# Altium PCB PCB_with_drawing_try2.PcbDoc (part 3 of 5) (continued)
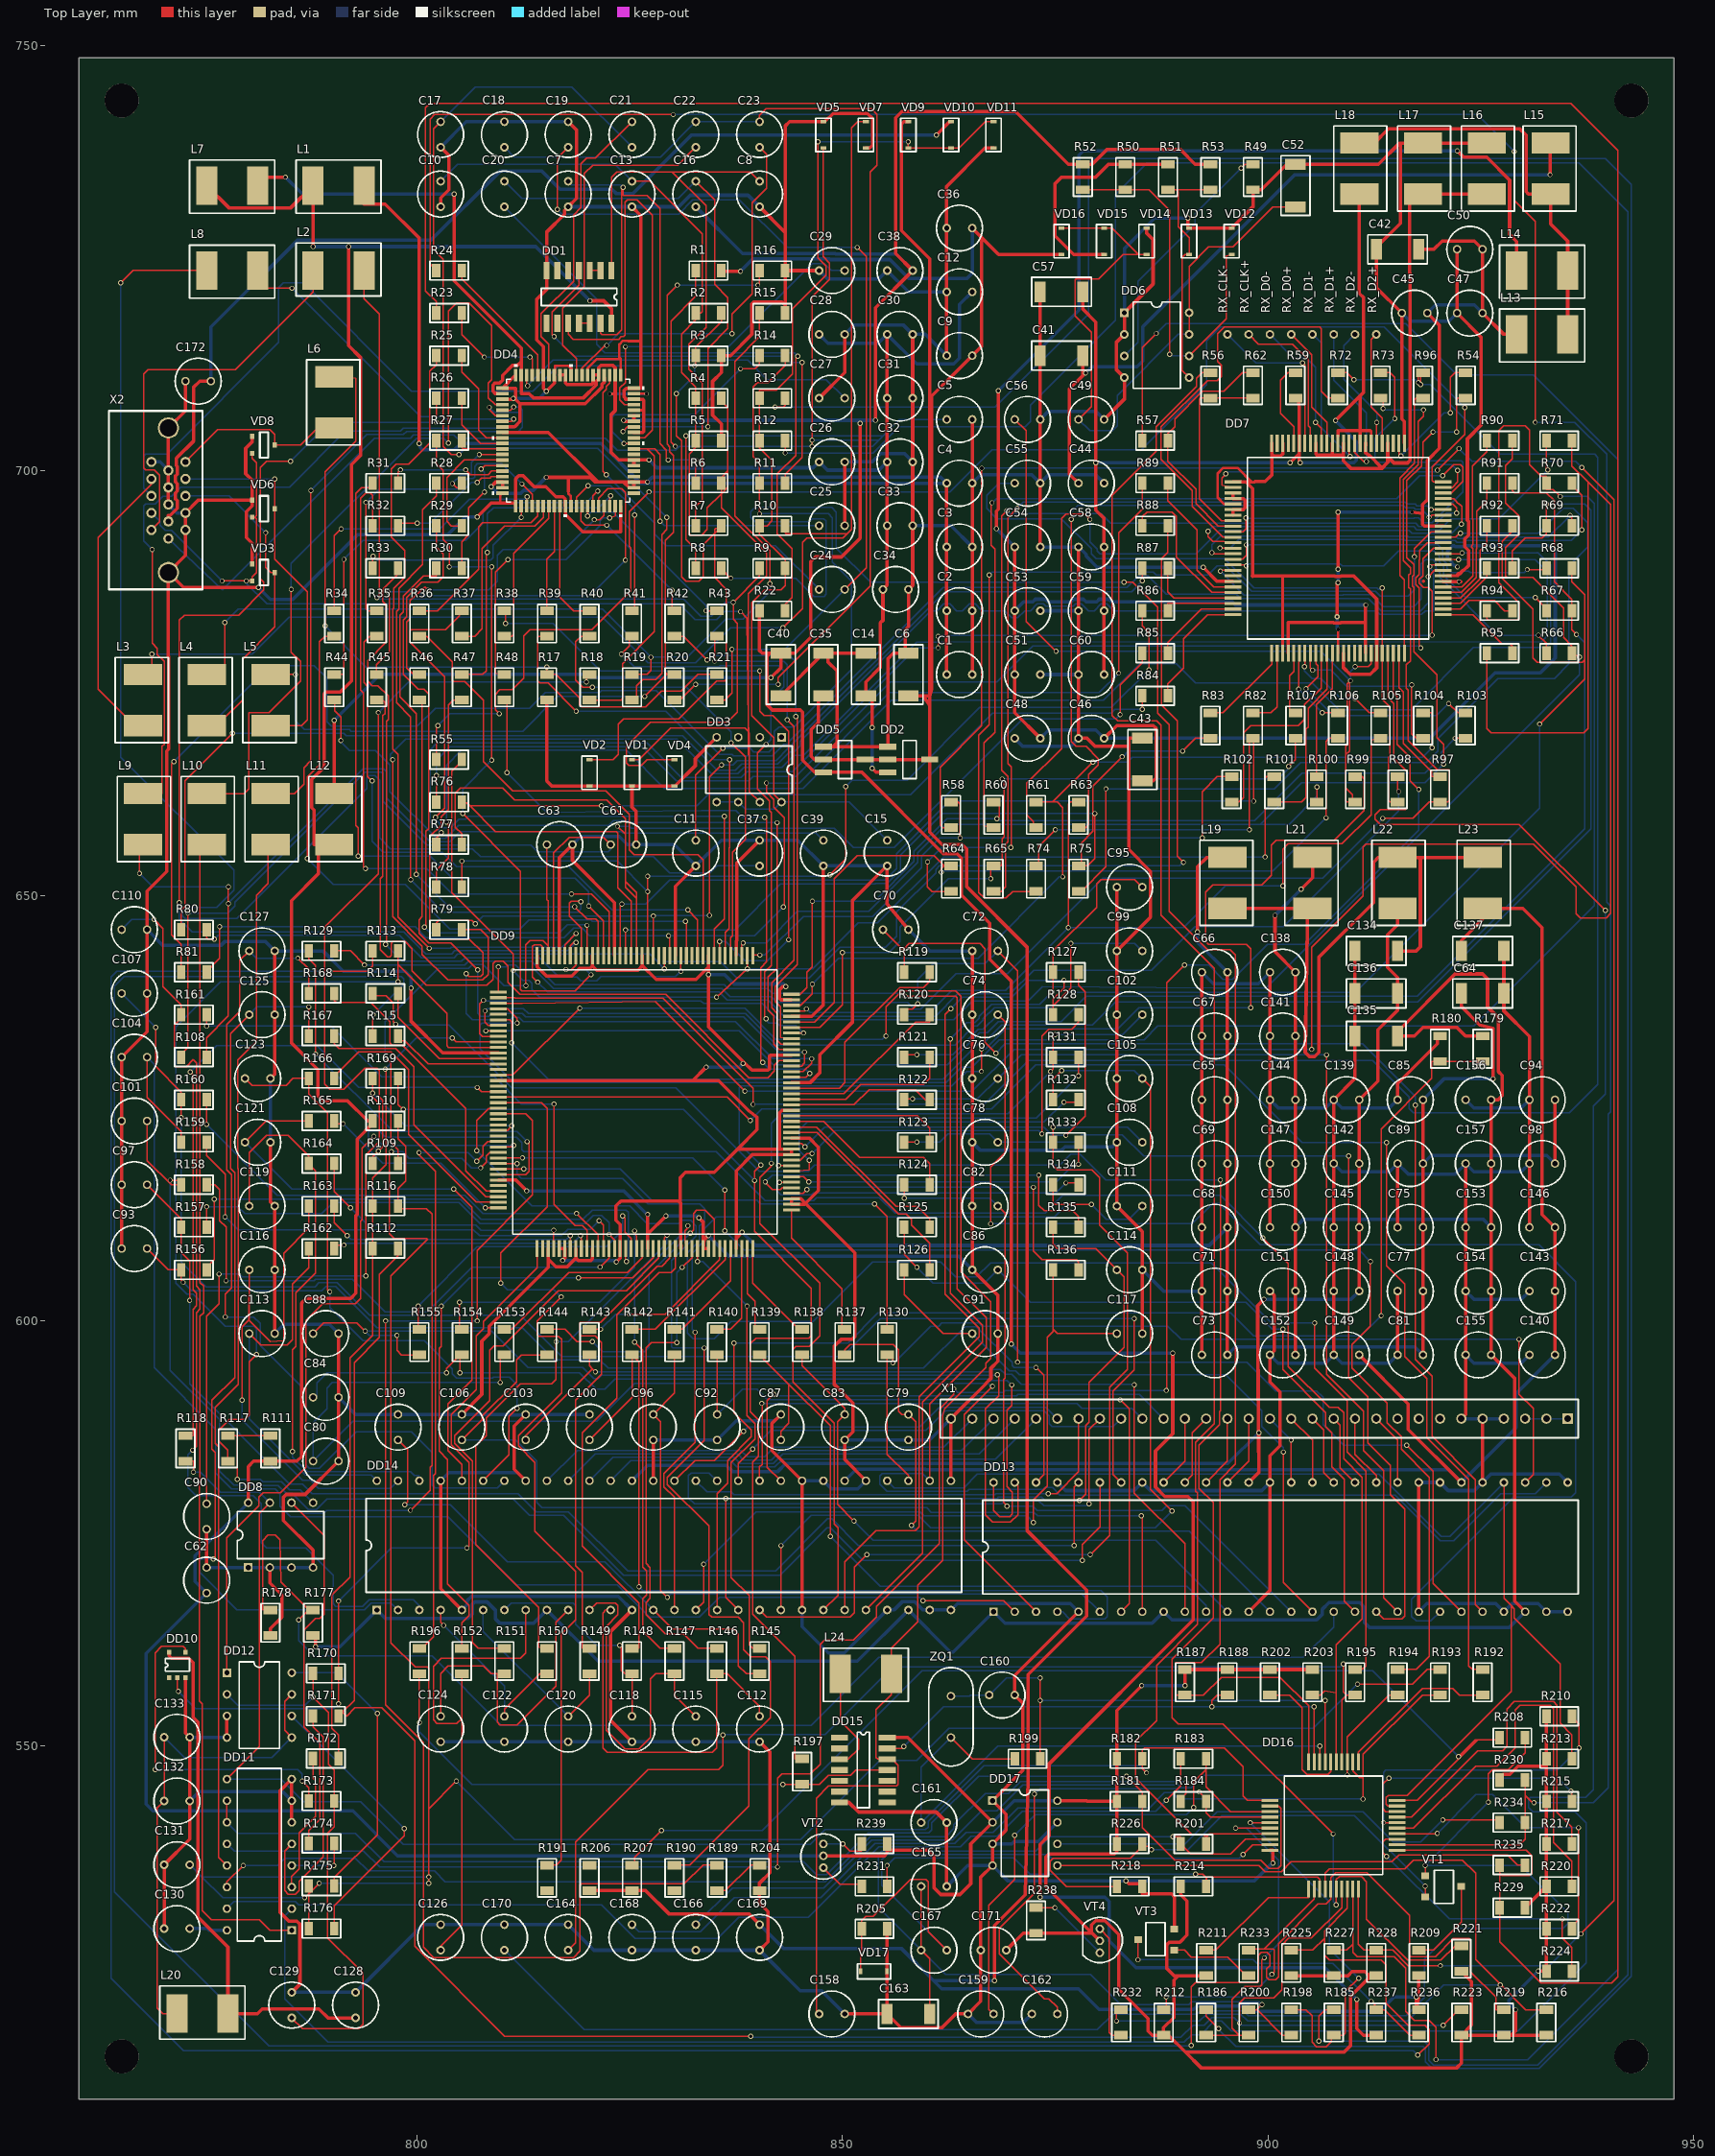
[diagram p0: Top Layer view]
## Nets (pads, with @x,y where several pads share a name; then routed paths per layer and width w, separated by ;. In a path a pad name is that pad's centre, name@x,y a point inside that pad or via, vN(x,y) a via of type N, cw(c..) or ccw(c..) an arc to the next point about the centre after c; other vN are vias at no path point) (continued)
HSYNC_IN: DD11.14 R184.1 | length 123.4
  Top Layer w0.15: DD11.14@777.63,533.42 777.63,534.046 v1(779.555,535.97) ; R184.1@889.75,543.5 889.75,543.794 890.4,544.444 v1(890.4,545.749)
  Bottom Layer w0.15: v1(779.555,535.97) 783.568,535.97 784.406,536.809 792.737,536.809 794.235,535.31 802.028,535.31 803.298,534.04 847.957,534.04 853.259,539.342 862.149,539.342 863.095,540.288 863.095,540.726 866.778,544.409 869.507,544.409 870.925,545.828 890.322,545.828 v1(890.4,545.749)
HSYNC_X: DD9.41 DD10.2 R170.1 | length 91.7
  Top Layer w0.15: DD10.2@771.8,558.04 771.8,556.552 v1(771.935,556.417) ; v1(790.75,554.989) R170.1@790.75,558.54 v1(790.75,567.06) ; v1(805.844,573.283) 806.079,573.518 806.079,583.348 804.017,585.41 804.017,589.008 806.936,591.927 806.936,598.217 807.809,599.09 807.809,599.936 814.1,606.227 DD9.41@814.1,608.5
  Bottom Layer w0.15: v1(771.935,556.417) 773.967,554.385 790.147,554.385 v1(790.75,554.989) ; v1(790.75,567.06) 796.973,573.283 v1(805.844,573.283)
INPUT_SELECT: DD11.10 DD11.11 DD16.12 R181.1 | length 149.5
  Top Layer w0.15: DD11.11@777.63,541.04 DD11.10@777.63,543.58 ; v1(883.396,546.461) 885.25,544.606 R181.1@885.25,543.5 885.25,540.425 889.095,536.58 899.169,536.58 900.129,535.621 901.201,535.621 901.526,535.945 901.526,542.676 901.252,542.95 DD16.12@900.25,542.95
  Bottom Layer w0.15: DD11.11@777.63,541.04 778.915,539.755 792.737,539.755 796.09,536.402 845.39,536.402 846.921,534.871 848.14,534.871 853.036,539.767 860.114,539.767 860.483,540.136 860.483,540.953 865.991,546.461 v1(883.396,546.461)
LCD_CLK: DD13.31 DD14.31 R130.1 | length 111.7
  Top Layer w0.15: v1(855.933,595.076) 855.933,596 R130.1@855.25,596 855.247,596 855.247,584.307 857.75,581.803 DD14.31@857.75,581.2 ; v1(929.542,597.819) 929.542,591.342 931.193,589.691 931.193,581.943 DD13.31@930.25,581
  Bottom Layer w0.15: v1(855.933,595.076) 856.009,595 860.387,599.379 861.331,599.379 861.686,599.733 866.041,599.733 866.395,599.379 888.232,599.379 889.791,597.819 v1(929.542,597.819)
LCD_DE: DD13.30 DD14.30 R129.1 | length 228.4
  Top Layer w0.15: R129.1@790.25,643.5 790.25,643.514 792.153,643.514 v1(793.804,641.863) ; v1(857.355,638.18) 863.299,638.18 863.495,637.983 863.495,603.77 866.905,600.359 866.905,596.887 860.25,590.231 DD14.30@860.25,581.2
  Bottom Layer w0.15: v1(793.804,641.863) 805.615,641.863 806.064,642.312 813.404,642.312 816.215,639.501 836.083,639.501 836.498,639.086 841.19,639.086 841.752,638.524 857.011,638.524 v1(857.355,638.18) ; DD14.30@860.25,581.2 859.421,582.029 854.688,582.029 854.409,581.75 854.409,580.776 855.219,579.966 864.67,579.966 864.871,580.166 873.586,580.166 873.8,580.381 874.697,580.381 875.567,579.51 914.958,579.51 920.296,574.172 921.871,574.172 927.383,579.684 931.434,579.684 DD13.30@932.75,581
LCD_VCC: X1.1 X1.2 X1.3 | length 5
  Bottom Layer w0.15: X1.3@930.25,588.5 X1.2@932.75,588.5 X1.1@935.25,588.5
LVDS_PD: DD13.32 DD14.32 DD16.39 R213.2 | length 147.1
  Top Layer w0.15: DD16.39@915.2,542.95 914.124,542.95 913.921,543.153 913.921,543.946 914.175,544.2 916.385,544.2 928.602,556.417 928.602,566.513 ; DD13.32@927.75,581 927.75,567.365 928.602,566.513 ; R213.2@935.75,548.5 935.75,551.327 934.388,552.688 934.388,559.648 928.983,565.053 928.983,566.132 928.602,566.513
  Bottom Layer w0.15: DD14.32@855.25,581.2 856.08,580.37 864.264,580.37 865.864,581.97 913.073,581.97 920.363,574.68 921.43,574.68 DD13.32@927.75,581
MCU_H_IN: DD11.13 L11.2 | length 123.5
  Top Layer w0.15: DD11.13@777.63,535.96 776.659,536.931 776.659,585.214 776.271,585.602 776.271,589.837 778.96,592.525 778.96,617.863 778.92,617.903 778.92,630.662 781.104,632.846 781.104,650.042 782.476,651.413 782.476,656 L11.2@782.75,656
MCU_ISP_SCL: R12.1 R185.1 | length 382.1
  Top Layer w0.15: v1(843.25,702.061) R12.1@843.25,703.5 ; v1(905.996,515.295) 905.996,518.238 906.758,519 R185.1@907.75,519
  Bottom Layer w0.15: v1(843.25,702.061) 853.568,702.061 856.667,705.16 871.503,705.16 872.087,705.744 872.087,707.674 882.095,717.682 882.095,732.465 885.815,736.185 936.565,736.185 942.343,730.407 942.343,523.093 931.751,512.501 919.458,512.501 918.925,513.034 918.925,514.735 918.365,515.295 v1(905.996,515.295)
MCU_ISP_SDA: R13.1 R186.1 | length 396
  Top Layer w0.15: v1(842.064,707.446) 843.047,707.446 843.25,707.649 R13.1@843.25,708.5 ; R186.1@892.75,519 892.75,518.228 v1(894.21,516.768)
  Bottom Layer w0.15: v1(842.064,707.446) 867.947,707.446 878.92,718.419 878.92,736.046 879.563,736.689 939.668,736.689 942.75,733.608 942.75,522.928 931.918,512.097 919.291,512.097 918.521,512.867 918.521,514.429 918.25,514.7 ; v1(894.21,516.768) 894.21,516.666 896.217,514.66 918.29,514.66
MCU_SCL1: DD16.32 R24.1 R230.2 R234.1 | length 380.7
  Top Layer w0.15: R24.1@802.25,723.5 802.25,723.539 801.5,724.288 801.5,741.304 802.034,741.837 v1(830.101,741.837) ; DD16.32@915.2,538.4 929.584,538.4 930.25,539.066 R234.1@930.25,541 930.25,544.2 ; v1(928.958,737.494) 928.958,731.754 931.421,729.29 v1(931.421,705.668) ; R230.2@930.25,546 930.25,544.2 ; v1(931.294,543.336) 931.114,543.336 930.25,544.2
  Bottom Layer w0.15: v1(830.101,741.837) 924.614,741.837 v1(928.958,737.494) ; v1(931.294,543.336) 938.254,543.336 940.007,545.089 940.007,624.286 940.311,624.591 940.311,648.772 939.829,649.254 939.829,701.934 936.095,705.668 v1(931.421,705.668)
MCU_SDA1: DD16.31 R23.1 R229.2 R235.1 | length 429.4
  Top Layer w0.15: R23.1@802.25,718.5 802.25,719.841 800.972,721.119 800.972,742.63 801.5,743.158 935.592,743.158 941.124,737.626 941.124,522.864 940.413,522.153 932.101,522.153 927.25,527.004 R229.2@927.25,531 927.25,535.056 ; DD16.31@915.2,537.75 930.378,537.75 931.04,537.088 931.04,535.056 930.736,534.751 927.555,534.751 927.25,535.056 ; R235.1@927.25,536 927.25,535.056
MCU_V_IN: DD11.1 L10.2 | length 138.1
  Top Layer w0.15: L10.2@775.25,656 774.475,656 774.475,604.481 774.876,604.079 774.876,600.965 774.475,600.564 774.475,581.005 774.399,580.928 774.399,555.328 774.733,554.993 774.733,530.658 775.796,529.595 781.434,529.595 782.689,528.34 DD11.1@785.25,528.34
NetC7_1: C7.1 DD1.13 R6.2 | length 69.4
  Top Layer w0.15: DD1.13@821.56,717.3 821.56,716.158 821.738,715.98 823.446,715.98 824.017,716.551 824.017,733.112 v1(824.208,733.303) 824.208,732.318 827.033,732.318 828.55,730.802 828.55,703.138 829.296,702.391 829.296,701.443 v1(829.517,701.223) ; R6.2@832.75,698.5 v1(832.75,701.223)
  Bottom Layer w0.15: C7.1@817.75,734 818.168,733.582 823.929,733.582 v1(824.208,733.303) ; v1(829.517,701.223) v1(832.75,701.223)
NetC8_1: C8.1 DD1.1 R7.2 | length 74.2
  Top Layer w0.15: DD1.1@822.83,723.5 822.83,734.49 823.446,735.106 829.974,735.106 ; R7.2@832.75,693.5 832.75,695.744 833.53,696.524 833.53,710.316 831.955,711.891 831.955,714.837 833.936,716.818 833.936,731.144 829.974,735.106 ; C8.1@840.25,734 839.144,735.106 829.974,735.106
NetC11_1: C11.1 R11.2 R14.1 | length 81.3
  Top Layer w0.15: C11.1@832.75,656.5 832.75,664.172 v1(835.923,667.345) ; v1(840.25,694.898) R11.2@840.25,698.5 840.25,700.842 839.473,701.618 839.473,709.808 839.981,710.316 841.218,710.316 843.25,712.348 R14.1@843.25,713.5
  Bottom Layer w0.15: v1(835.923,667.345) 839.137,667.345 839.576,666.906 841.352,666.906 842.001,667.555 842.001,669.295 842.547,669.841 844.312,669.841 851.081,676.61 851.081,686.973 848.821,689.234 848.821,694.416 848.338,694.898 v1(840.25,694.898)
NetC15_1: C15.1 DD3.5 DD3.6 DD3.8 R9.2 R10.2 R12.2 R13.2 VD9.2 VD10.2 VD11.2 | length 134.9
  Top Layer w0.15: R10.2@840.25,693.5 R10.2@840.25,693.476 ; DD3.8@842.83,661 841.912,661.918 841.912,668.609 839.346,671.175 839.346,684.459 840.82,685.932 842.742,685.932 843.25,686.44 R9.2@843.25,688.5 843.25,689.488 840.25,692.488 R10.2@840.25,693.476 ; v1(847.119,738.662) 847.119,724.992 848.079,724.032 848.079,722.986 844.096,719.003 844.096,711.332 842.191,709.427 840.25,709.427 R13.2@840.25,708.5 R12.2@840.25,703.5 840.25,702.656 841.709,701.197 841.709,694.06 841.124,693.476 R10.2@840.25,693.476 ; v1(857.736,738.662) 857.736,737.9 VD9.2@857.75,737.9 VD10.2@862.75,737.9 863.68,737.9 866.78,741 VD11.2@867.75,741
  Bottom Layer w0.15: DD3.5@835.21,661 DD3.6@837.75,661 838.599,660.151 841.981,660.151 DD3.8@842.83,661 850.75,661 C15.1@855.25,656.5 ; v1(847.119,738.662) v1(857.736,738.662)
NetC16_1: C16.1 C20.1 DD4.33 | length 67.3
  Top Layer w0.15: v1(824.183,704.576) 824.732,705.125 DD4.33@825.472,705.125 ; C16.1@832.75,734 834.952,731.798 834.952,721.898 836.527,720.324 836.527,716.72 834.165,714.358 v1(834.165,705.134)
  Bottom Layer w0.15: C20.1@810.25,734 812.287,731.963 830.713,731.963 C16.1@832.75,734 ; v1(824.183,704.576) 824.741,705.134 v1(834.165,705.134)
NetC17_1: C17.1 C21.2 R19.2 | length 120.9
  Top Layer w0.15: C17.1@802.75,741 801.907,740.157 801.907,725.983 803.05,724.84 803.05,702.813 804.015,701.848 v1(804.895,701.848) ; R19.2@825.25,673 825.757,673 825.757,674.654 826.519,675.416 828.018,675.416 828.755,676.153 828.755,692.46 829.339,693.044 v1(829.339,694.492)
  Bottom Layer w0.15: C17.1@802.75,741 806.839,745.089 818.161,745.089 C21.2@825.25,738 ; v1(804.895,701.848) 805.641,702.594 821.236,702.594 v1(829.339,694.492)
NetC18_1: C18.1 C22.2 C23.2 R20.2 | length 132.1
  Top Layer w0.15: R20.2@830.25,673 830.888,673 832.742,674.854 v1(832.742,674.858) ; C23.2@840.25,741 840.25,741.75 841.023,742.523 853.418,742.523 854.053,741.888 854.053,735.868 853.257,735.073 853.257,686.432 842.445,675.62 v1(842.445,674.858)
  Bottom Layer w0.15: C18.1@810.25,738 811.391,736.859 828.609,736.859 C22.2@832.75,741 C23.2@840.25,741 ; v1(832.742,674.858) v1(842.445,674.858)
NetC19_1: C19.1 C24.2 R21.2 | length 111.4
  Top Layer w0.15: v1(816.486,730.687) 816.486,736.736 C19.1@817.75,738 ; R21.2@835.25,673 836.146,673 836.984,673.838 v1(836.984,678.972) ; C24.2@850.25,686 852.783,688.533 852.783,725.15 v1(851.716,726.216)
  Bottom Layer w0.15: v1(816.486,730.687) 817.02,730.153 830.731,730.153 832.407,731.829 837.873,731.829 843.486,726.216 v1(851.716,726.216) ; v1(836.984,678.972) 843.222,678.972 C24.2@850.25,686
NetC20_2: C20.2 R22.2 | length 76.9
  Top Layer w0.15: R22.2@843.25,683.5 843.25,684.256 844.045,685.051 844.045,690.809 842.318,692.536 842.318,699.597 844.5,701.779 844.5,713.209 v1(844.731,713.44)
  Bottom Layer w0.15: C20.2@810.25,731 821.084,720.166 821.084,714.812 822.049,713.847 844.325,713.847 v1(844.731,713.44)
NetC21_1: C21.1 DD4.54 | length 35.2
  Top Layer w0.15: DD4.54@815.475,711.222 815.475,714.858 814.585,715.748 814.585,718.444 818.391,722.25 818.391,730.026 819.255,730.89 819.255,736.072 819.89,736.707 820.957,736.707 C21.1@825.25,741
NetC22_1: C22.1 DD4.49 | length 39.8
  Top Layer w0.15: DD4.49@818.725,711.222 818.725,713.132 817.121,714.736 817.121,719.054 819.661,721.594 819.661,734.903 820.647,735.889 830.639,735.889 C22.1@832.75,738
NetC23_1: C23.1 DD4.48 | length 44.1
  Top Layer w0.15: DD4.48@819.375,711.222 819.375,712.04 822.032,714.698 v1(822.265,714.698) ; v1(837.01,716.082) 837.01,718.396 839.397,720.784 839.397,731.474 841.099,733.176 841.099,737.151 C23.1@840.25,738
  Bottom Layer w0.15: v1(822.265,714.698) 823.649,716.082 v1(837.01,716.082)
NetC24_1: C24.1 DD4.43 | length 43.6
  Top Layer w0.15: v1(822.227,699.496) 821.85,699.872 821.85,709.168 822.227,709.545 822.227,709.863 822.625,710.261 DD4.43@822.625,711.222
  Bottom Layer w0.15: v1(822.227,699.496) 827.92,693.803 827.92,692.528 829.309,691.139 842.111,691.139 C24.1@847.25,686
NetC27_2: C27.2 DD4.58 | length 41.7
  Top Layer w0.15: DD4.58@812.875,711.222 812.875,710.067 v1(812.981,709.96)
  Bottom Layer w0.15: v1(812.981,709.96) 815.972,712.952 838.844,712.952 841.124,710.672 848.078,710.672 C27.2@850.25,708.5
NetC29_2: C29.2 DD4.37 | length 38.6
  Top Layer w0.15: v1(824.462,714.532) 824.462,710.331 823.812,709.681 823.812,708.277 824.363,707.725 DD4.37@825.472,707.725
  Bottom Layer w0.15: v1(824.462,714.532) 836.611,714.532 846.408,724.329 847.838,724.329 848.667,723.5 C29.2@850.25,723.5
NetC49_2: C49.2 C52.1 DD6.7 DD6.8 VD14.2 VD15.2 VD16.2 | length 81.5
  Top Layer w0.15: VD16.2@875.75,728.5 VD15.2@880.75,728.5 881.688,728.5 884.788,725.4 ; C49.2@877.75,706 879.25,707.5 879.25,716.234 877.319,718.165 877.319,722.381 877.446,722.508 880.092,722.508 882.984,725.4 884.788,725.4 ; VD14.2@885.75,725.4 884.788,725.4 ; DD6.7@890.75,716 DD6.8@890.75,718.54 890.75,724.001 893.042,726.293 895.904,726.293 900.611,731 C52.1@903.25,731
  Bottom Layer w0.15: C49.2@877.75,706 879.074,704.676 881.738,704.676 882.298,705.236 882.298,708.804 889.494,716 DD6.7@890.75,716
NetC55_2: C55.2 DD7.46 R98.1 | length 82.9
  Top Layer w0.15: v1(913.45,686.178) DD7.46@913.45,678.5 913.45,673.067 914.327,672.189 914.327,666.399 914.175,666.247 914.175,661.167 914.342,661 R98.1@915.25,661
  Bottom Layer w0.15: C55.2@870.25,698.5 868.348,698.5 866.937,697.089 866.937,695.553 868.176,694.314 875.719,694.314 879.25,690.783 879.25,690.199 879.808,689.64 894.896,689.64 898.366,686.171 908.511,686.171 908.517,686.178 912.824,686.178 913.002,686 913.272,686 v1(913.45,686.178)
NetC56_2: C56.2 DD7.44 R99.1 | length 96.7
  Top Layer w0.15: C56.2@870.25,706 871.579,704.671 871.579,682.249 v1(875.11,678.718) ; v1(909.704,675.264) v1@909.603,675.162 ; R99.1@910.25,661 R99.1@909.958,661 ; v1(910.263,676.94) 911.838,676.94 912.15,677.252 DD7.44@912.15,678.5 ; 909.171,662.64 909.171,666.577 ; 909.171,662.64 909.171,661.127 909.298,661 R99.1@909.958,661 ; 909.171,662.64 909.958,661.853 R99.1@909.958,661 ; 909.171,666.577 909.171,667.542 909.349,667.72 909.349,674.908 v1@909.603,675.162 ; 909.171,666.577 909.603,667.009 v1@909.603,675.162
  Bottom Layer w0.15: v1(875.11,678.718) 906.25,678.718 v1(909.704,675.264) 909.704,676.382 v1(910.263,676.94)
NetC61_2: C61.2 DD9.157 R108.1 | length 100.5
  Top Layer w0.15: R108.1@772.25,631 772.25,631.347 773.052,632.15 v1(773.052,647.959) ; DD9.157@816.05,642.95 816.05,655.041 817.858,656.849 821.901,656.849 C61.2@822.75,656
  Bottom Layer w0.15: v1(773.052,647.959) 777.726,647.959 778.539,648.772 778.539,649.221 793.855,664.537 795.785,664.537 795.98,664.342 795.98,661.065 801.125,655.92 813.377,655.92 814.15,655.147 822.445,655.147 822.75,655.452 C61.2@822.75,656
NetC63_2: C63.2 DD9.158 R109.1 | length 58.6
  Top Layer w0.15: v1(796.243,630.966) 796.878,630.331 796.878,621.01 797.75,620.137 R109.1@797.75,618.5 ; v1(812.778,639.425) 812.778,644.2 813.286,644.708 814.81,644.708 815.4,644.118 ; C63.2@815.25,656 815.25,649.531 815.4,649.381 815.4,644.118 ; DD9.158@815.4,642.95 815.4,644.118
  Bottom Layer w0.15: v1(796.243,630.966) 796.243,635.181 802.512,641.451 806.028,641.451 806.485,641.908 807.743,641.908 810.226,639.425 v1(812.778,639.425)
NetC90_2: C90.2 DD9.26 R169.2 | length 89
  Top Layer w0.15: C90.2@775.25,578.5 775.25,600.531 776.71,601.991 v1(776.71,605.49) ; v1(793.957,605.288) 793.957,619.486 795.531,621.06 795.531,625.537 794.75,626.318 v1(794.75,626.775) R169.2@794.75,628.5 ; DD9.26@809.55,622.4 810.587,622.4 v1(811.127,622.94)
  Bottom Layer w0.15: v1(776.71,605.49) 779.098,605.49 779.428,605.16 787.655,605.16 787.782,605.288 v1(793.957,605.288) ; v1(794.75,626.775) 798.585,622.94 v1(811.127,622.94)
NetC129_1: C129.1 DD12.2 R170.2 R173.2 | length 64.5
  Top Layer w0.15: C129.1@785.25,518.04 786.522,516.768 793.093,516.768 793.601,517.276 793.601,523.321 789.461,527.461 789.461,539.753 790.25,540.542 R173.2@790.25,543.54 790.25,547.195 789.571,547.874 789.571,553.961 v1(787.75,555.773) R170.2@787.75,558.54
  Bottom Layer w0.15: DD12.2@777.63,556.08 778.893,554.817 786.794,554.817 v1(787.75,555.773)
NetC132_1: C132.1 C133.1 DD12.5 DD12.7 L20.1 | length 57.5
  Top Layer w0.15: C133.1@770.25,551.04 C132.1@770.25,543.54 769.42,542.71 769.42,519.206 770.106,518.521 771.75,518.521 L20.1@771.75,518.54 ; DD12.5@785.25,551 784.406,551.844 784.406,555.236 DD12.7@785.25,556.08
  Bottom Layer w0.15: C133.1@770.25,551.04 772.62,548.67 782.92,548.67 DD12.5@785.25,551
NetC159_2: C159.2 DD16.13 R183.2 | length 61.9
  Top Layer w0.15: C159.2@867.75,518.5 867.21,519.04 867.21,531.271 870.233,534.294 v1(870.233,539.526) ; v1(891.283,542.772) 891.283,545.743 892.75,547.21 ; R183.2@892.75,548.5 892.75,547.21 ; DD16.13@900.25,542.3 895.641,542.3 892.75,545.191 892.75,547.21
  Bottom Layer w0.15: v1(870.233,539.526) 872.649,541.943 890.455,541.943 v1(891.283,542.772)
NetC160_1: C160.1 DD16.7 R199.2 ZQ1.2 | length 61.6
  Top Layer w0.15: R199.2@873.25,548.5 v1(873.25,555.351) v1(873.25,558.018) ; DD16.7@906.75,548.15 v1(906.75,555.351)
  Bottom Layer w0.15: ZQ1.2@862.75,555.88 864.924,555.88 865.044,556 C160.1@867.25,556 869.268,558.018 v1(873.25,558.018) ; v1(873.25,555.351) v1(906.75,555.351)
NetC161_1: C161.1 DD16.8 R199.1 ZQ1.1 | length 72.4
  Top Layer w0.15: ZQ1.1@862.75,551 865.25,548.5 R199.1@870.25,548.5 ; DD16.8@906.1,548.15 v1(906.1,549.994)
  Bottom Layer w0.15: ZQ1.1@862.75,551 859.25,547.5 C161.1@859.25,541 868.244,549.994 v1(906.1,549.994)
NetC162_2: C162.2 DD16.14 R184.2 | length 61
  Top Layer w0.15: v1(872.57,544.352) 872.57,532.694 868.421,528.545 868.421,525.59 873.713,520.299 874.259,520.299 875.25,519.308 C162.2@875.25,518.5 ; v1(891.937,544.606) 892.75,543.794 R184.2@892.75,543.5 892.75,542.168 893.268,541.65 DD16.14@900.25,541.65
  Bottom Layer w0.15: v1(872.57,544.352) 873.212,544.995 889.284,544.995 889.673,544.606 v1(891.937,544.606)
NetC163_1: C163.1 C165.2 C167.2 DD16.18 R198.1 R200.1 R201.1 | length 128.8
  Top Layer w0.15: C165.2@859.25,533.5 C167.2@859.25,526 860.25,525 C163.1@860.25,518.5 ; v1(888.851,539.349) 889.75,539.349 R201.1@889.75,538.5 890.933,537.317 895.633,537.317 897.366,539.05 DD16.18@900.25,539.05 ; v1(899.316,519.609) 898.719,519.013 ; R198.1@902.75,516 901.732,516 898.719,519.013 ; 898.719,519.013 898.707,519 R200.1@897.75,519 898.719,519.013
  Bottom Layer w0.15: v1(888.851,539.349) 874.396,539.349 872.718,537.671 854.636,537.671 854.205,537.24 854.205,531.045 C167.2@859.25,526 862.107,523.143 879.174,523.143 882.708,519.609 890.695,519.609 891.032,519.947 898.979,519.947 v1(899.316,519.609)
NetC164_1: C164.1 DD16.4 R195.1 | length 127.9
  Top Layer w0.15: C164.1@817.75,526 818.595,526.845 818.595,538.714 827.129,547.248 835.435,547.248 835.943,547.756 v1(835.943,551.287) ; DD16.4@908.7,548.15 908.7,555.402 909.291,555.993 ; v1(908.892,559.643) 908.892,556.392 909.291,555.993 ; 909.291,555.993 909.298,556 R195.1@910.25,556 909.291,555.993
  Bottom Layer w0.15: v1(835.943,551.287) 836.019,551.363 847.957,551.363 855.882,559.288 908.536,559.288 v1(908.892,559.643)
NetC166_1: C166.1 DD16.3 R194.1 | length 96.6
  Top Layer w0.15: v1(909.35,546.588) DD16.3@909.35,548.15 909.35,551.099 914.251,556 R194.1@915.25,556
  Bottom Layer w0.15: C166.1@832.75,529 837.053,533.303 847.792,533.303 853.426,538.938 862.913,538.938 866.372,542.397 868.175,542.397 871.189,545.41 889.47,545.41 889.765,545.114 891.01,545.114 892.483,546.588 v1(909.35,546.588)
NetC167_1: C167.1 DD16.19 R205.2 VD17.2 | length 85.5
  Top Layer w0.15: VD17.2@852.15,523.5 852.15,525.937 852.25,526.037 R205.2@852.25,528.5 852.25,529.468 852.758,529.976 853.621,529.976 857.99,534.345 859.793,534.345 860.098,534.04 860.098,528.152 C167.1@862.25,526 ; v1(897.081,537.266) 898.215,538.4 DD16.19@900.25,538.4
  Bottom Layer w0.15: C167.1@862.25,526 854.612,533.638 854.612,536.631 855.248,537.267 874.143,537.267 874.602,536.809 896.623,536.809 v1(897.081,537.266)
NetC168_1: C168.1 DD16.2 R193.1 | length 113.2
  Top Layer w0.15: DD16.2@910,548.15 910,547.079 910.822,546.257 911.203,546.257 ; v1(911.203,543.768) 911.203,546.257 ; R193.1@920.25,556 918.163,556 911.203,549.04 911.203,546.257
  Bottom Layer w0.15: C168.1@825.25,529 826.079,528.171 833.3,528.171 837.289,532.16 847.457,532.16 853.83,538.534 863.195,538.534 864.518,539.857 867.718,539.857 870.613,542.751 886.094,542.751 887.848,544.505 888.749,544.505 889.486,543.768 v1(911.203,543.768)
NetC170_1: C170.1 R208.2 VT1.1 | length 179.7
  Top Layer w0.15: VT1.1@918.5,534.75 v1(918.5,535.97) ; v1(925.935,543.405) 925.935,546.74 926.443,547.248 928.291,547.248 930.25,549.207 R208.2@930.25,551
  Bottom Layer w0.15: C170.1@810.25,526 819.615,516.635 879.936,516.635 881.792,518.491 891.693,518.491 892.09,518.888 897.081,518.888 897.683,518.286 916.258,518.286 918.391,520.419 918.391,524.947 922.023,528.579 934.698,528.579 935.257,529.138 935.257,530.408 929.694,535.97 v1(918.5,535.97) v1(925.935,543.405)
NetDD1_2: DD1.2 DD1.3 | length 1.3
  Top Layer w0.15: DD1.3@820.29,723.5 DD1.2@821.56,723.5
NetDD1_4: DD1.4 R11.1 | length 54.6
  Top Layer w0.15: v1(816.105,715.726) 815.851,715.98 815.851,718.622 819.02,721.79 DD1.4@819.02,723.5 ; R11.1@843.25,698.5 843.25,699.538 845.239,701.528 v1(845.239,712.678)
  Bottom Layer w0.15: v1(816.105,715.726) 818.409,713.423 843.079,713.423 843.824,712.678 v1(845.239,712.678)
NetDD1_11: DD1.11 DD1.12 | length 1.3
  Top Layer w0.15: DD1.11@819.02,717.3 DD1.12@820.29,717.3
NetDD4_2: DD4.2 R33.1 | length 23.2
  Top Layer w0.15: R33.1@794.75,688.5 794.75,689.824 v1(794.82,689.894) ; v1(812.225,694.492) DD4.2@812.225,695.778
  Bottom Layer w0.15: v1(794.82,689.894) 795.266,689.449 808.638,689.449 808.931,689.742 808.931,691.198 v1(812.225,694.492)
NetDD4_3: DD4.3 R34.1 | length 34.5
  Top Layer w0.15: R34.1@790.25,683.5 790.248,683.5 790.248,692.307 v1(791.061,693.12) ; DD4.3@812.875,695.778 812.875,696.875 v1(812.905,696.905)
  Bottom Layer w0.15: v1(791.061,693.12) 802.646,693.12 806.161,696.635 812.635,696.635 v1(812.905,696.905)
NetDD4_4: DD4.4 R35.1 | length 39
  Top Layer w0.15: v1(793.981,696.244) 793.957,696.22 793.957,683.779 794.236,683.5 R35.1@795.25,683.5 ; v1(812.321,698.403) 813.534,697.19 813.534,696.691 813.525,696.682 DD4.4@813.525,695.778
  Bottom Layer w0.15: v1(793.981,696.244) 795.562,697.825 804.65,697.825 805.846,699.022 806.555,699.022 806.771,699.237 806.771,700.481 807.075,700.785 809.939,700.785 v1(812.321,698.403)
NetDD4_5: DD4.5 R36.1 | length 22.6
  Top Layer w0.15: R36.1@800.25,683.5 802.345,683.5 807.201,688.356 807.201,693.366 807.698,693.863 813.368,693.863 814.175,694.67 DD4.5@814.175,695.778
NetDD4_6: DD4.6 R37.1 | length 22.2
  Top Layer w0.15: R37.1@805.25,680.5 806.762,680.5 807.622,681.36 807.622,690.811 810.27,693.459 813.814,693.459 814.825,694.469 DD4.6@814.825,695.778
NetDD4_7: DD4.7 R38.1 | length 18
  Top Layer w0.15: R38.1@810.25,680.5 811.127,680.5 811.33,680.703 811.33,690.22 815.475,694.365 DD4.7@815.475,695.778
NetDD4_8: DD4.8 R39.1 | length 12.7
  Top Layer w0.15: R39.1@815.25,683.5 815.242,683.5 815.242,689.59 816.125,690.473 DD4.8@816.125,695.778
NetDD4_9: DD4.9 R40.1 | length 14.8
  Top Layer w0.15: DD4.9@816.775,695.778 816.775,685.116 818.391,683.5 R40.1@820.25,683.5
NetDD4_12: DD4.12 R41.1 | length 21.8
  Top Layer w0.15: DD4.12@818.725,695.778 818.725,696.857 v1(820.074,698.206) ; R41.1@825.25,683.5 825.554,683.5 v1(825.554,694.771)
  Bottom Layer w0.15: v1(820.074,698.206) 822.754,698.206 825.554,695.406 v1(825.554,694.771)
NetDD4_13: DD4.13 R42.1 | length 18.5
  Top Layer w0.15: DD4.13@819.375,695.778 819.375,695.146 819.261,695.032 819.261,694.06 819.769,693.552 v1(822.303,693.552) ; v1(829.948,685.907) 829.948,683.5 R42.1@830.25,683.5
  Bottom Layer w0.15: v1(822.303,693.552) v1(829.948,685.907)
NetDD4_14: DD4.14 R43.1 | length 21.7
  Top Layer w0.15: v1(820.025,694.652) DD4.14@820.025,695.778 ; v1(833.955,683.5) R43.1@835.25,683.5
  Bottom Layer w0.15: v1(820.025,694.652) 820.449,695.076 823.001,695.076 833.955,684.122 v1(833.955,683.5)
NetDD4_15: DD4.15 R44.1 | length 50.5
  Top Layer w0.15: R44.1@790.25,676 791.238,676 791.391,676.153 v1(791.391,689.539) ; DD4.15@820.675,695.778 820.675,697.004 v1(821.236,697.565)
  Bottom Layer w0.15: v1(791.391,689.539) 793.601,691.749 805.699,691.749 807.744,693.794 807.744,695.021 808.943,696.219 819.89,696.219 v1(821.236,697.565)
NetDD4_16: DD4.16 R45.1 | length 52.9
  Top Layer w0.15: R45.1@795.25,676 795.227,676 795.227,677.142 796.741,678.657 796.741,685.535 v1(796.573,685.703) ; DD4.16@821.325,695.778 821.325,696.74 822.417,697.832 824.018,697.832 824.462,697.387 v1(824.462,689.463)
  Bottom Layer w0.15: v1(796.573,685.703) 800.242,685.703 800.643,685.303 820.302,685.303 v1(824.462,689.463)
NetDD4_17: DD4.17 R46.1 | length 40
  Top Layer w0.15: R46.1@800.25,676 799.539,676 798.761,676.778 798.761,682.182 799.15,682.572 799.15,684.711 800.886,686.318 v1(801.272,685.932) ; v1(820.83,694.212) 821.467,694.212 821.975,694.72 DD4.17@821.975,695.778
  Bottom Layer w0.15: v1(801.272,685.932) 808.384,685.932 809.4,686.948 809.4,689.996 810.086,690.682 817.299,690.682 v1(820.83,694.212)
NetDD4_18: DD4.18 R47.1 | length 38.2
  Top Layer w0.15: R47.1@805.25,676 807.698,676 808.136,676.438 808.136,690.231 v1(808.257,690.352) ; DD4.18@822.625,695.778 822.625,696.897 v1(822.735,697.006)
  Bottom Layer w0.15: v1(808.257,690.352) 808.257,694.898 808.961,695.603 821.331,695.603 v1(822.735,697.006)
NetDD4_19: DD4.19 R48.1 | length 31.2
  Top Layer w0.15: R48.1@810.25,676 809.171,676.153 809.171,688.022 v1(810.662,689.513) ; v1(822.626,694.416) 823.275,694.644 DD4.19@823.275,695.778
  Bottom Layer w0.15: v1(810.662,689.513) 817.503,689.513 821.481,693.492 821.481,694.068 821.828,694.416 v1(822.626,694.416)
NetDD4_56: DD4.56 R24.2 | length 16
  Top Layer w0.15: R24.2@805.25,723.5 805.25,722.508 814.175,713.583 DD4.56@814.175,711.222
NetDD4_57: DD4.57 R23.2 | length 13.9
  Top Layer w0.15: R23.2@805.25,718.5 805.25,715.964 v1(807.876,713.339) ; v1(813.271,713.339) 813.525,713.085 DD4.57@813.525,711.222
  Bottom Layer w0.15: v1(807.876,713.339) v1(813.271,713.339)
NetDD4_64: DD4.64 L10.1 | length 93.7
  Top Layer w0.15: L10.1@775.25,662 779.651,662 780.215,662.564 780.215,671.53 782.577,671.53 786.311,675.264 786.311,677.525 785.194,678.642 v1(785.194,686.017) ; v1(803.685,703.204) 803.685,718.723 804.65,719.689 806.123,719.689 808.759,717.053 808.759,710.666 808.368,710.275 808.368,708.528 809.171,707.725 DD4.64@810.028,707.725
  Bottom Layer w0.15: v1(785.194,686.017) 785.194,689.056 799.92,703.782 803.107,703.782 v1(803.685,703.204)
NetDD4_65: DD4.65 L11.1 | length 71.9
  Top Layer w0.15: L11.1@782.75,662 785.576,662 786.667,663.091 786.667,665.053 787.505,665.891 v1(787.505,697.641) ; DD4.65@810.028,707.075 810.934,707.075 v1(811.33,707.471)
  Bottom Layer w0.15: v1(787.505,697.641) 794.078,704.215 798.38,704.215 798.756,704.59 811.878,704.59 812.372,705.084 812.372,707.116 812.016,707.471 v1(811.33,707.471)
NetDD4_66: DD4.66 L9.1 | length 92.4
  Top Layer w0.15: L9.1@767.75,662 770.018,662 770.018,667.544 770.275,667.801 770.275,677.525 769.449,678.35 769.449,679.055 768.836,679.668 v1(768.836,690.682) ; v1(808.485,707.42) 808.485,707.162 809.222,706.425 DD4.66@810.028,706.425
  Bottom Layer w0.15: v1(768.836,690.682) 767.82,691.698 767.82,695.813 768.074,696.067 769.217,696.067 770.131,696.981 771.122,696.981 772.189,698.048 784.99,698.048 791.561,704.619 798.014,704.619 798.389,704.994 811.241,704.994 811.965,705.719 811.965,706.76 811.89,706.836 809.07,706.836 v1(808.485,707.42)
NetDD4_67: DD4.67 L8.1 | length 39.9
  Top Layer w0.15: L8.1@781.25,723.5 781.25,721.416 v1(785.295,721.416) ; DD4.67@810.028,705.775 811.056,705.775 v1(811.33,706.049)
  Bottom Layer w0.15: v1(785.295,721.416) 800.414,706.297 802.891,706.297 803.139,706.049 v1(811.33,706.049)
NetDD4_70: DD4.70 R25.1 | length 12.8
  Top Layer w0.15: R25.1@805.25,713.5 805.25,711.545 807.202,709.592 807.202,704.741 808.118,703.825 DD4.70@810.028,703.825
NetDD4_71: DD4.71 R26.1 | length 8.8
  Top Layer w0.15: R26.1@805.25,708.5 805.25,705.373 807.448,703.175 DD4.71@810.028,703.175
NetDD4_72: DD4.72 R27.1 | length 5.7
  Top Layer w0.15: R27.1@805.25,703.5 805.25,702.687 805.412,702.525 DD4.72@810.028,702.525
NetDD4_73: DD4.73 R28.1 | length 10
  Top Layer w0.15: v1(804.142,698.454) 804.65,697.946 805.25,697.946 R28.1@805.25,698.5 ; v1(807.299,701.875) DD4.73@810.028,701.875
  Bottom Layer w0.15: v1(804.142,698.454) 805.113,699.426 806.174,699.426 806.367,699.618 806.367,700.943 v1(807.299,701.875)
NetDD4_74: DD4.74 R29.1 | length 14.6
  Top Layer w0.15: R29.1@805.25,693.5 805.25,693.476 804.015,693.476 803.477,694.014 803.477,699.16 805.541,701.225 DD4.74@810.028,701.225
NetDD4_75: DD4.75 R30.1 | length 15.6
  Top Layer w0.15: R30.1@805.25,688.5 805.25,691.622 806.047,692.419 806.047,695.584 v1(807.921,697.458) ; v1(807.52,700.156) 807.939,700.575 DD4.75@810.028,700.575
  Bottom Layer w0.15: v1(807.52,700.156) 807.921,699.756 v1(807.921,697.458)
NetDD4_76: DD4.76 R31.1 | length 14.1
  Top Layer w0.15: R31.1@797.75,698.5 797.75,699.784 v1(798.046,700.08) ; v1(805.691,700.08) 806.25,699.521 808.358,699.521 808.762,699.925 DD4.76@810.028,699.925
  Bottom Layer w0.15: v1(798.046,700.08) v1(805.691,700.08)